# Altium PCB bingdundun钥匙扣_2.7x3cm.pcbdoc
Units mm, origin at the board's own origin, x right, y up, seen from the top; angles counter-clockwise.
Board outline 26.84 x 30.74 mm, 2 copper layers (Top Layer, Bottom Layer); 8 components, 9 nets, 0 pads, 0 vias.
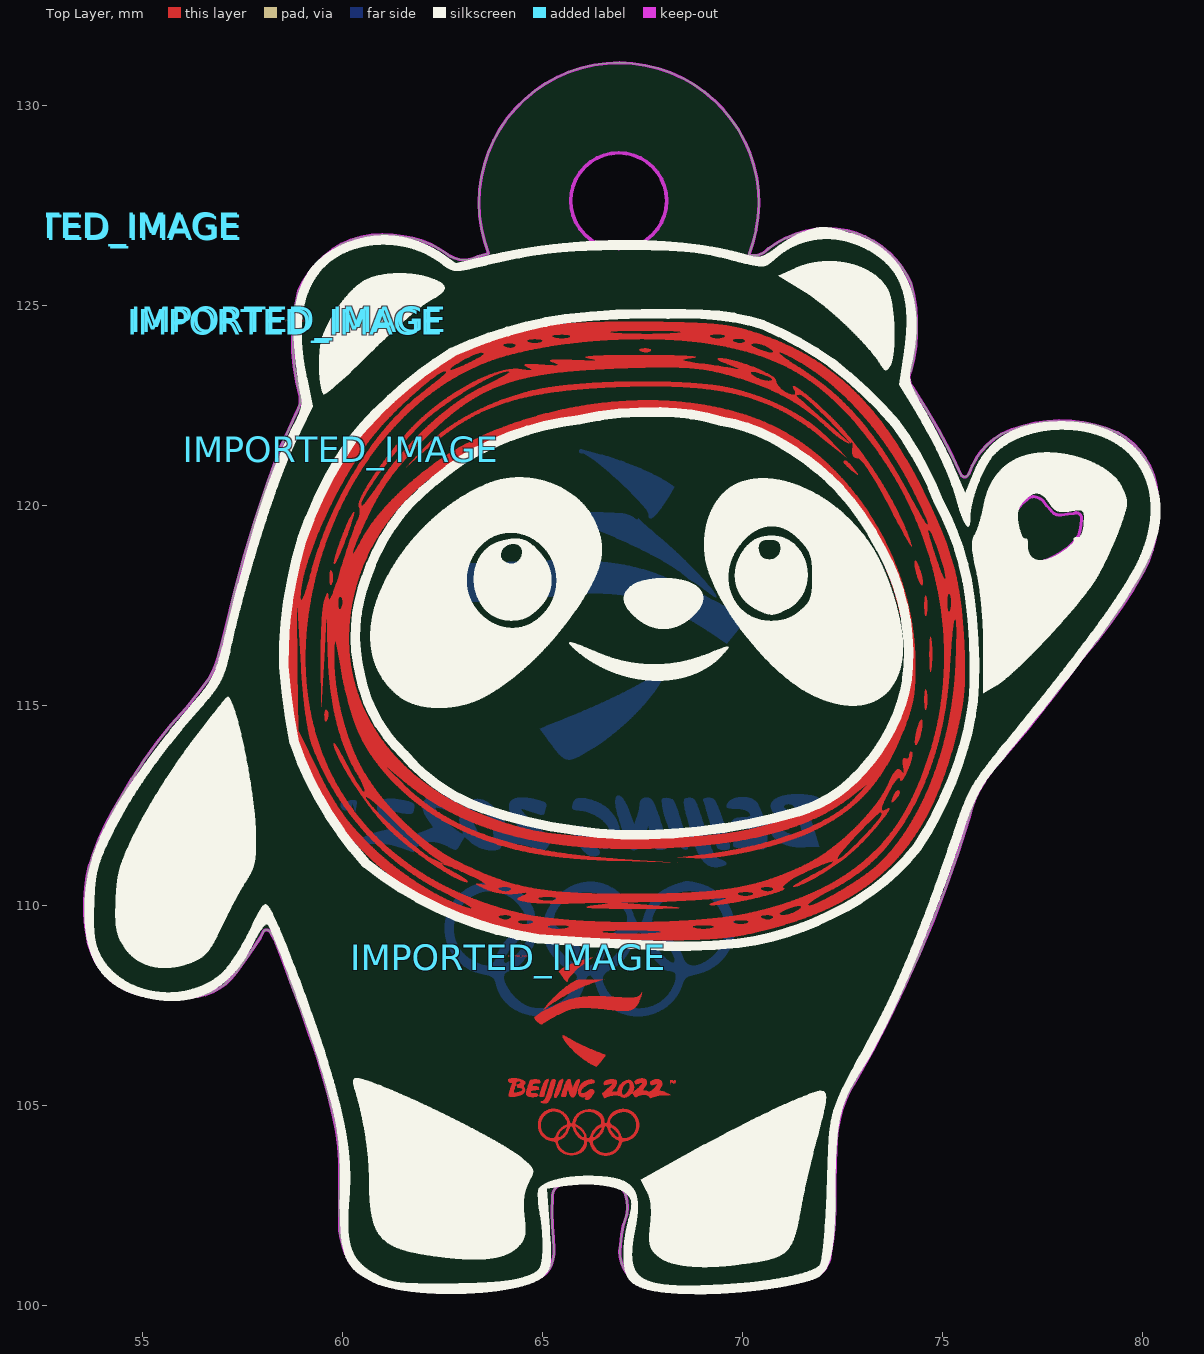
[diagram p0: Top Layer view]
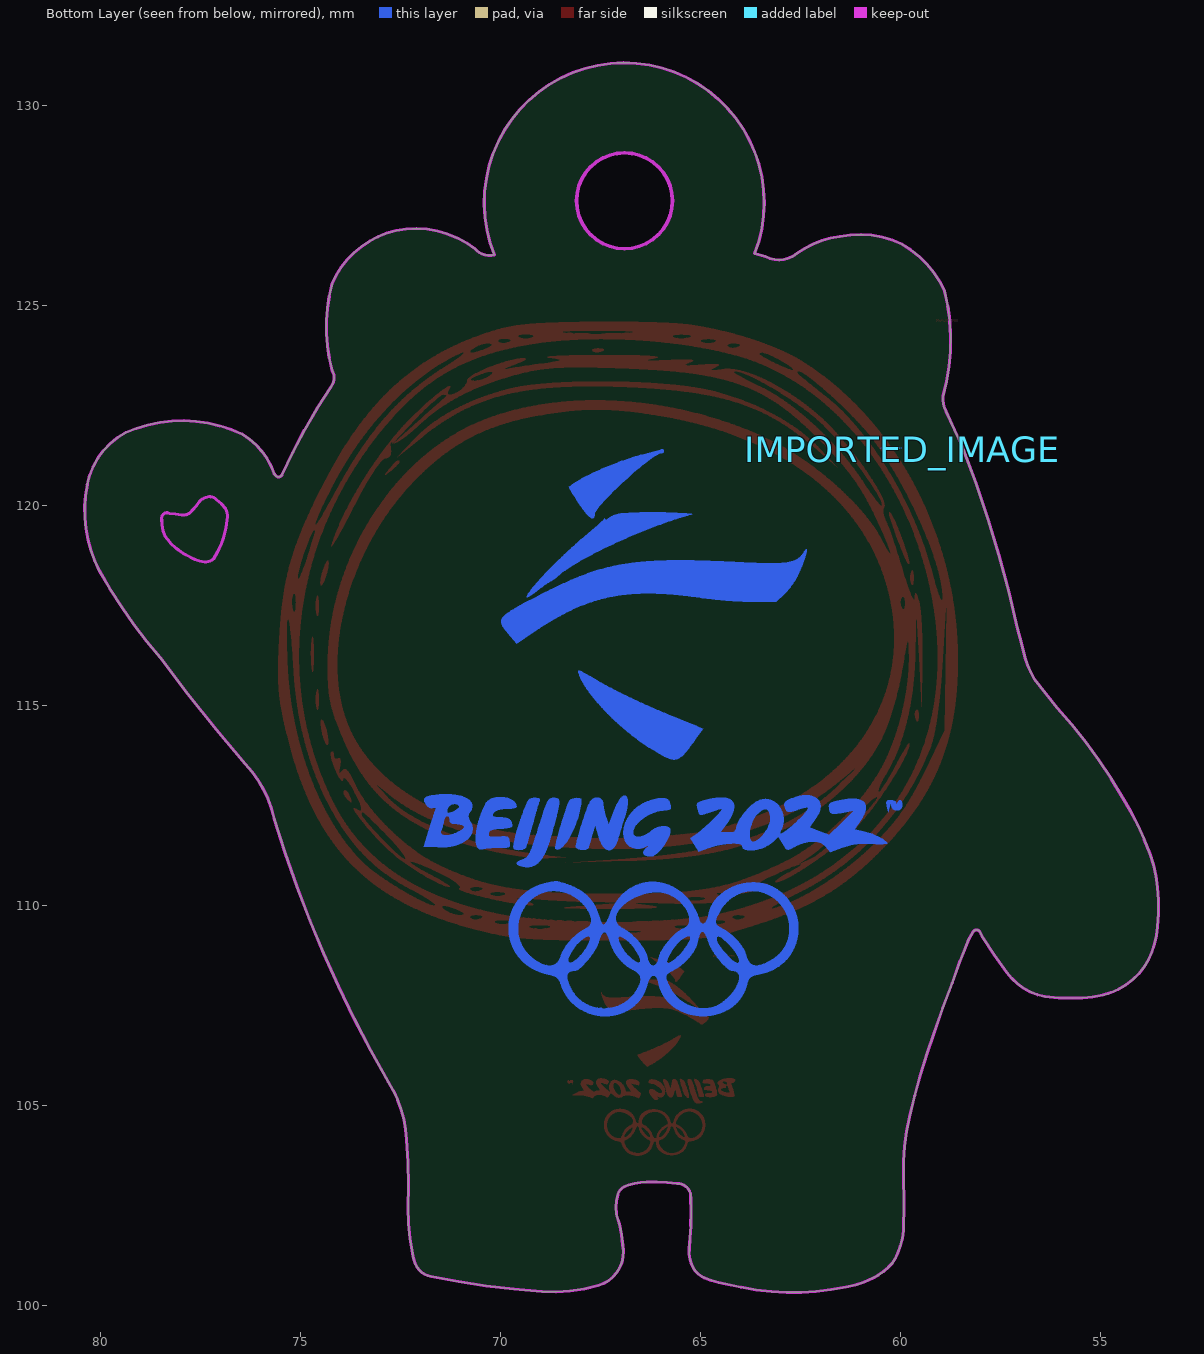
[diagram p1: Bottom Layer view, seen from below]

## Layer stack, top to bottom
Top Solder: solder mask 0.0102, Solder Resist, Dk 3.5
Top Layer: signal copper 0.0356
Dielectric1: dielectric 0.32, FR-4, Dk 4.8
Bottom Layer: signal copper 0.0356
Bottom Solder: solder mask 0.0102, Solder Resist, Dk 3.5

## Board outline
55.697,107.695 ccw(c55.779,112.404) 56.381,107.733 ccw(c56.097,109.223) 57.331,108.341 ccw(c47.308,115.962) 57.939,109.215 cw(c61.416,107.571) 58.015,109.367 cw(c58.091,109.3) 58.167,109.367 cw(c56.081,107.986) 58.281,109.177 cw(c43.353,102.884) 58.699,108.075 cw(c38.431,99.994) 59.155,106.82 cw(c42.902,100.959) 59.763,104.73 cw(c54.293,103.42) 59.915,103.248 ccw(c90.663,102.564) 59.915,101.88 ccw(c61.961,102.12) 60.067,101.31 ccw(c60.837,101.576) 60.296,100.968 ccw(c61.255,101.934) 60.676,100.702 ccw(c61.659,102.511) 61.36,100.474 ccw(c62.685,106.861) 63.222,100.36 ccw(c62.465,108.413) 64.362,100.55 ccw(c63.979,102.897) 64.894,100.702 ccw(c64.67,101.232) 65.16,100.93 ccw(c64.447,101.355) 65.274,101.424 ccw(c55.545,101.062) 65.236,101.994 cw(c75.034,102.355) 65.236,102.716 cw(c65.56,102.734) 65.578,103.058 cw(c66.149,99.249) 66.338,103.096 cw(c66.328,101.628) 66.794,103.02 cw(c66.727,102.673) 67.06,102.792 cw(c65.901,102.454) 67.098,102.298 ccw(c69.643,101.363) 66.936,101.517 ccw(c67.786,101.347) 67.554,100.512 ccw(c68.705,104.574) 68.96,100.36 ccw(c67.609,120.541) 71.735,100.74 ccw(c71.659,101.223) 72.077,100.968 ccw(c71.455,101.365) 72.191,101.31 ccw(c66.93,102.412) 72.305,102.45 cw(c86.441,102.991) 72.343,104.16 cw(c75.272,104.029) 72.799,105.604 ccw(c45.811,121.206) 75.651,112.187 75.649,112.179 cw(c78.493,111.553) 76.371,113.547 ccw(c42.803,142.583) 78.499,116.207 ccw(c68.597,124.773) 80.019,118.374 ccw(c77.073,119.891) 80.323,120.54 ccw(c78.459,120.164) 79.373,121.832 ccw(c77.951,118.631) 76.447,121.794 ccw(c77.411,120.199) 75.649,120.806 cw(c75.47,120.909) 75.573,120.73 cw(c75.546,120.839) 75.459,120.768 ccw(c61.609,114.542) 74.227,122.989 cw(c74.508,123.206) 74.205,123.39 ccw(c70.124,124.473) 74.205,125.556 ccw(c72.088,124.639) 72.609,126.886 ccw(c72.118,124.503) 70.632,126.43 cw(c70.261,126.759) 70.147,126.276 70.147,126.275 ccw(c66.899,127.58) 63.638,126.311 ccw(c66.355,115.579) 63.374,126.24 cw(c63.032,126.878) 62.576,126.316 ccw(c61.236,124.469) 61.512,126.734 ccw(c61.01,124.366) 59.953,126.544 ccw(c61.245,124.299) 58.889,125.376 ccw(c63.911,124.133) 58.927,122.744 cw(c58.323,122.667) 58.851,122.364 cw(c9.715,144.414) 58.438,121.465 ccw(c88.057,110.022) 57.065,116.929 cw(c30.24,123.603) 56.875,116.207 cw(c54.696,116.826) 56.647,115.675 cw(c33.485,133.375) 56.077,114.953 ccw(c64.991,106.74) 54.443,112.711 ccw(c60.463,108.913) 53.759,111.305 ccw(c56.506,110.241) 53.569,110.469 ccw(c58.065,109.975) 53.569,109.481 ccw(c55.87,109.659) 53.797,108.645 ccw(c55.359,109.501) 54.937,107.771 ccw(c55.641,110.974)
cut-out: 66.893,126.431 cw(c66.893,127.63) 65.694,127.63 cw(c66.893,127.63) 66.893,128.829 cw(c66.893,127.63) 68.092,127.63 cw(c66.893,127.63)

## Design rules (kind name [scope] priority, off if disabled: settings)
Clearance [All] p1: gap=0.254 ignorepadtopadclearanceinfootprint=FALSE except(0: Arc-Hole Track-Hole SMDPad-Hole THPad-Hole Via-Hole Fill-Hole Poly-Hole Region-Hole Text-Hole)
PolygonConnect [All] p1: connectstyle=Relief reliefconductorwidth=0.254 reliefentries=4 polygonreliefangle="90 Angle" airgapwidth=0.254
RoutingVias [All] p1: holewidth=0.711 width=1.27 viastyle="Through Hole" minholewidth=0.711 minwidth=1.27 maxholewidth=0.711 maxwidth=1.27
SolderMaskExpansion [All] p1: expansion=0.102 istentingtop=FALSE
Width [All] p1: maxlimit=0.254 minlimit=0.254 preferedwidth=0.254
30 further rules are at their usual default settings.

## Components (designator, comment, footprint, x,y, rotation, side; value= is the part's Value field where it differs from the comment)
IMPORTED_IMAGE "Comment" IMPORTED_IMAGE#1 59.944,121.412 r0 top
IMPORTED_IMAGE "Comment" IMPORTED_IMAGE#2 59.944,121.412 r0 bottom
IMPORTED_IMAGE "Comment" IMPORTED_IMAGE#1 53.498,127.02 r0 top
IMPORTED_IMAGE "Comment" IMPORTED_IMAGE#1 64.135,108.712 r0 top
IMPORTED_IMAGE "Comment" IMPORTED_IMAGE#1 58.639,124.673 r0 top
IMPORTED_IMAGE "Comment" IMPORTED_IMAGE#3 64.135,108.712 r0 top
IMPORTED_IMAGE "Comment" IMPORTED_IMAGE#4 58.56,124.608 r0 top
IMPORTED_IMAGE "Comment" IMPORTED_IMAGE#1 53.54,126.968 r0 top

## Footprints (in the part's own frame and the unit in brackets; to place one, negate y for a bottom-side part, rotate by r counter-clockwise, add the part's x,y. Pads: shape width x height; smd on the part's side, far side on the other; paste and mask are expansions set on the pad)
IMPORTED_IMAGE#1 [mm]
IMPORTED_IMAGE#2 [mm]
  Top Layer region: 1370 vertices and 9 holes, not listed, extent 2.599,10.796 9.849,14.169
  Top Layer region: 205 vertices and 0 holes, not listed, extent 8.581,8.711 9.641,10.442
  Top Layer region: 354 vertices and 0 holes, not listed, extent 5.79,8.713 6.977,10.174
  Top Layer region: 969 vertices and 1 holes, not listed, extent 0.381,8.642 5.302,10.071
  Top Layer region: 255 vertices and 0 holes, not listed, extent 6.867,8.652 8.163,10.016
  Top Layer region: 9.597,10.013 9.572,10.012 9.547,10.01 9.522,10.006 9.498,10.001 9.476,9.994 9.456,9.986 9.438,9.977 9.424,9.967 9.413,9.956 9.407,9.944 9.4,9.921 9.388,9.879 9.372,9.823 9.352,9.753 9.329,9.672 9.304,9.583 9.278,9.488 9.243,9.364 9.222,9.289 9.201,9.216 9.181,9.145 9.161,9.078 9.143,9.016 9.126,8.96 9.111,8.91 9.098,8.868 9.087,8.835 9.079,8.812 9.072,8.793 9.069,8.78 9.066,8.769 9.065,8.759 9.066,8.75 9.068,8.742 9.072,8.736 9.078,8.73 9.086,8.725 9.095,8.721 9.107,8.718 9.12,8.715 9.136,8.714 9.154,8.712 9.174,8.712 9.196,8.711 9.21,8.711 9.222,8.712 9.234,8.712 9.245,8.713 9.256,8.715 9.266,8.717 9.276,8.719 9.286,8.722 9.295,8.725 9.303,8.729 9.312,8.734 9.32,8.74 9.328,8.746 9.336,8.754 9.343,8.762 9.351,8.772 9.359,8.782 9.366,8.794 9.374,8.806 9.382,8.82 9.389,8.836 9.398,8.852 9.406,8.87 9.414,8.89 9.423,8.911 9.433,8.933 9.442,8.957 9.452,8.983 9.463,9.011 9.474,9.04 9.486,9.071 9.498,9.104 9.506,9.125 9.513,9.146 9.521,9.166 9.528,9.187 9.535,9.207 9.542,9.228 9.549,9.248 9.556,9.268 9.563,9.288 9.57,9.308 9.576,9.327 9.583,9.347 9.595,9.385 9.607,9.423 9.619,9.46 9.63,9.496 9.64,9.532 9.65,9.566 9.66,9.6 9.668,9.632 9.677,9.663 9.684,9.694 9.691,9.723 9.698,9.751 9.703,9.777 9.708,9.802 9.713,9.826 9.717,9.849 9.72,9.87 9.722,9.889 9.724,9.907 9.724,9.915 9.725,9.923 9.725,9.93 9.725,9.937 9.725,9.944 9.724,9.95 9.724,9.956 9.723,9.961 9.722,9.966 9.721,9.97 9.719,9.974 9.718,9.977 9.716,9.98 9.714,9.982 9.701,9.992 9.685,10 9.666,10.006 9.645,10.01 9.622,10.012 9.597,10.013
  Top Layer region: 8.639,9.998 8.619,10.001 8.597,9.998 8.575,9.991 8.551,9.978 8.527,9.961 8.502,9.94 8.476,9.915 8.45,9.886 8.424,9.853 8.397,9.817 8.371,9.777 8.344,9.735 8.318,9.69 8.292,9.643 8.266,9.594 8.241,9.542 8.217,9.489 8.194,9.435 8.171,9.379 8.15,9.322 8.13,9.265 8.111,9.207 8.094,9.148 8.078,9.09 8.064,9.032 8.052,8.974 8.041,8.917 8.033,8.861 8.027,8.806 8.024,8.752 8.034,8.733 8.063,8.72 8.106,8.713 8.156,8.712 8.208,8.717 8.256,8.727 8.295,8.743 8.318,8.763 8.328,8.78 8.338,8.801 8.35,8.827 8.363,8.857 8.376,8.891 8.39,8.928 8.404,8.969 8.42,9.012 8.435,9.057 8.451,9.104 8.467,9.153 8.483,9.204 8.499,9.255 8.515,9.307 8.531,9.36 8.547,9.412 8.562,9.464 8.577,9.516 8.591,9.566 8.604,9.615 8.617,9.663 8.629,9.708 8.64,9.751 8.649,9.792 8.658,9.829 8.665,9.863 8.671,9.893 8.675,9.919 8.678,9.941 8.679,9.958 8.678,9.969 8.676,9.976 8.658,9.99 8.639,9.998
  Top Layer region: 357 vertices and 0 holes, not listed, extent 9.648,8.688 10.669,9.999
  Top Layer region: 289 vertices and 2 holes, not listed, extent 10.745,8.618 11.964,9.948
  Top Layer region: 0.359,9.064 0.321,8.928 0.315,8.908 0.31,8.89 0.305,8.875 0.301,8.863 0.297,8.853 0.293,8.846 0.291,8.841 0.288,8.838 0.286,8.838 0.284,8.84 0.282,8.845 0.281,8.852 0.279,8.861 0.278,8.873 0.277,8.887 0.276,8.904 0.275,8.919 0.272,8.933 0.268,8.947 0.262,8.959 0.256,8.97 0.248,8.98 0.239,8.989 0.23,8.997 0.22,9.004 0.209,9.01 0.197,9.015 0.185,9.019 0.173,9.022 0.161,9.024 0.148,9.025 0.135,9.025 0.122,9.023 0.11,9.021 0.097,9.018 0.085,9.014 0.074,9.009 0.062,9.003 0.052,8.996 0.042,8.988 0.033,8.979 0.025,8.969 0.018,8.958 0.012,8.947 0.007,8.934 0.003,8.92 0.001,8.906 0,8.89 0.001,8.866 0.004,8.845 0.008,8.826 0.013,8.809 0.02,8.795 0.028,8.784 0.037,8.775 0.046,8.77 0.056,8.767 0.067,8.767 0.077,8.77 0.088,8.776 0.098,8.785 0.108,8.798 0.118,8.814 0.127,8.833 0.134,8.851 0.14,8.864 0.145,8.871 0.149,8.874 0.153,8.871 0.155,8.864 0.157,8.851 0.158,8.833 0.162,8.82 0.17,8.807 0.183,8.796 0.199,8.785 0.218,8.777 0.241,8.771 0.265,8.767 0.291,8.766 0.31,8.766 0.328,8.767 0.343,8.768 0.356,8.771 0.368,8.774 0.377,8.779 0.385,8.785 0.391,8.792 0.395,8.8 0.398,8.811 0.4,8.823 0.4,8.837 0.399,8.853 0.397,8.871 0.393,8.892 0.389,8.915 0.359,9.064
  Top Layer region: 271 vertices and 0 holes, not listed, extent 4.98,5.528 8.107,7.752
  Top Layer region: 475 vertices and 0 holes, not listed, extent 2.393,2.497 10.033,4.853
  Top Layer region: 271 vertices and 0 holes, not listed, extent 5.258,1.57 9.391,3.691
  Top Layer region: 186 vertices and 0 holes, not listed, extent 5.962,-0.003 8.338,1.72
IMPORTED_IMAGE#3 [mm]
  Top Layer region: 490 vertices and 9 holes, not listed, extent 0.741,-4.953 3.27,-3.782
  Top Layer region: 0.928,-3.649 0.908,-3.65 0.886,-3.648 0.863,-3.644 0.841,-3.638 0.824,-3.63 0.812,-3.622 0.806,-3.614 0.805,-3.607 0.811,-3.601 0.823,-3.597 0.841,-3.596 0.847,-3.596 0.852,-3.595 0.856,-3.594 0.861,-3.593 0.866,-3.591 0.871,-3.588 0.875,-3.585 0.88,-3.582 0.884,-3.578 0.889,-3.574 0.893,-3.568 0.898,-3.563 0.902,-3.556 0.907,-3.549 0.911,-3.541 0.916,-3.533 0.92,-3.523 0.925,-3.513 0.93,-3.502 0.935,-3.491 0.94,-3.478 0.945,-3.465 0.951,-3.45 0.956,-3.435 0.962,-3.419 0.968,-3.402 0.974,-3.384 0.98,-3.364 0.986,-3.344 0.993,-3.323 1,-3.301 1.03,-3.203 1.048,-3.147 1.062,-3.106 1.075,-3.078 1.086,-3.061 1.099,-3.051 1.113,-3.047 1.13,-3.047 1.142,-3.047 1.152,-3.047 1.157,-3.048 1.161,-3.049 1.164,-3.05 1.168,-3.051 1.171,-3.053 1.173,-3.055 1.175,-3.058 1.177,-3.061 1.178,-3.065 1.179,-3.069 1.18,-3.074 1.18,-3.08 1.179,-3.086 1.179,-3.093 1.178,-3.101 1.176,-3.11 1.174,-3.12 1.172,-3.131 1.169,-3.143 1.166,-3.155 1.163,-3.169 1.159,-3.184 1.154,-3.201 1.144,-3.237 1.133,-3.278 1.126,-3.301 1.11,-3.356 1.095,-3.406 1.081,-3.45 1.067,-3.489 1.053,-3.523 1.039,-3.553 1.025,-3.578 1.01,-3.599 0.995,-3.616 0.98,-3.629 0.964,-3.639 0.946,-3.646 0.928,-3.649
  Top Layer region: 1.996,-3.552 1.979,-3.558 1.958,-3.556 1.94,-3.552 1.927,-3.545 1.919,-3.536 1.915,-3.526 1.917,-3.514 1.924,-3.502 1.936,-3.488 1.957,-3.467 1.954,-3.465 1.941,-3.472 1.929,-3.478 1.917,-3.483 1.905,-3.486 1.894,-3.489 1.883,-3.491 1.872,-3.492 1.861,-3.493 1.851,-3.492 1.841,-3.491 1.831,-3.489 1.822,-3.486 1.813,-3.482 1.805,-3.477 1.797,-3.472 1.789,-3.466 1.783,-3.46 1.776,-3.452 1.77,-3.444 1.765,-3.436 1.76,-3.427 1.756,-3.417 1.753,-3.406 1.75,-3.395 1.747,-3.384 1.746,-3.372 1.745,-3.359 1.745,-3.346 1.746,-3.332 1.747,-3.318 1.749,-3.304 1.752,-3.289 1.757,-3.271 1.763,-3.254 1.77,-3.237 1.778,-3.221 1.788,-3.205 1.799,-3.189 1.81,-3.175 1.823,-3.16 1.837,-3.147 1.851,-3.134 1.867,-3.122 1.883,-3.11 1.9,-3.1 1.917,-3.091 1.936,-3.082 1.954,-3.075 1.995,-3.062 2.03,-3.053 2.061,-3.048 2.088,-3.048 2.11,-3.052 2.128,-3.06 2.141,-3.073 2.151,-3.089 2.153,-3.096 2.155,-3.102 2.156,-3.108 2.157,-3.113 2.156,-3.118 2.155,-3.122 2.153,-3.125 2.15,-3.129 2.145,-3.132 2.139,-3.135 2.132,-3.138 2.124,-3.141 2.114,-3.144 2.102,-3.147 2.089,-3.15 2.074,-3.154 2.045,-3.162 2.016,-3.172 1.988,-3.185 1.961,-3.199 1.936,-3.215 1.911,-3.232 1.889,-3.25 1.869,-3.268 1.851,-3.287 1.837,-3.305 1.825,-3.322 1.818,-3.339 1.814,-3.354 1.815,-3.368 1.821,-3.379 1.831,-3.389 1.845,-3.393 1.864,-3.394 1.885,-3.39 1.908,-3.383 1.931,-3.373 1.954,-3.36 1.975,-3.346 1.992,-3.33 2.004,-3.317 2.018,-3.308 2.031,-3.3 2.045,-3.295 2.059,-3.292 2.073,-3.291 2.086,-3.292 2.099,-3.295 2.11,-3.299 2.121,-3.306 2.129,-3.314 2.136,-3.323 2.141,-3.335 2.144,-3.347 2.144,-3.361 2.142,-3.376 2.132,-3.401 2.115,-3.43 2.094,-3.46 2.069,-3.49 2.043,-3.516 2.018,-3.538 1.996,-3.552
  Top Layer region: 412 vertices and 1 holes, not listed, extent 2.348,-3.522 4.051,-3.023
  Top Layer region: 1.183,-3.507 1.172,-3.511 1.163,-3.51 1.156,-3.504 1.15,-3.494 1.147,-3.479 1.146,-3.459 1.147,-3.451 1.149,-3.439 1.152,-3.425 1.156,-3.408 1.162,-3.388 1.168,-3.366 1.175,-3.343 1.182,-3.319 1.19,-3.293 1.199,-3.268 1.207,-3.242 1.216,-3.217 1.225,-3.192 1.233,-3.169 1.242,-3.147 1.25,-3.127 1.266,-3.097 1.286,-3.073 1.309,-3.054 1.331,-3.042 1.35,-3.037 1.365,-3.041 1.371,-3.055 1.368,-3.08 1.346,-3.157 1.305,-3.298 1.295,-3.329 1.284,-3.359 1.272,-3.387 1.259,-3.413 1.246,-3.436 1.233,-3.457 1.22,-3.475 1.207,-3.489 1.194,-3.5 1.183,-3.507
  Top Layer region: 1.606,-3.497 1.599,-3.496 1.593,-3.495 1.587,-3.492 1.58,-3.489 1.574,-3.485 1.568,-3.479 1.563,-3.473 1.557,-3.466 1.551,-3.458 1.546,-3.449 1.541,-3.439 1.536,-3.428 1.532,-3.415 1.528,-3.402 1.524,-3.389 1.519,-3.369 1.514,-3.352 1.509,-3.338 1.504,-3.327 1.5,-3.318 1.495,-3.312 1.491,-3.309 1.487,-3.308 1.483,-3.31 1.479,-3.314 1.475,-3.321 1.472,-3.331 1.468,-3.344 1.465,-3.359 1.461,-3.377 1.458,-3.397 1.454,-3.425 1.449,-3.445 1.444,-3.46 1.438,-3.47 1.429,-3.477 1.417,-3.48 1.401,-3.482 1.38,-3.482 1.347,-3.481 1.329,-3.476 1.322,-3.466 1.324,-3.449 1.375,-3.283 1.384,-3.256 1.393,-3.228 1.402,-3.2 1.412,-3.174 1.421,-3.151 1.429,-3.129 1.436,-3.112 1.443,-3.099 1.457,-3.076 1.474,-3.059 1.494,-3.05 1.517,-3.047 1.53,-3.047 1.54,-3.049 1.548,-3.052 1.555,-3.057 1.559,-3.064 1.562,-3.073 1.564,-3.084 1.565,-3.099 1.574,-3.156 1.591,-3.224 1.609,-3.275 1.618,-3.279 1.625,-3.242 1.636,-3.203 1.651,-3.164 1.669,-3.128 1.688,-3.095 1.708,-3.07 1.728,-3.053 1.745,-3.047 1.755,-3.047 1.763,-3.047 1.77,-3.048 1.776,-3.05 1.781,-3.052 1.784,-3.055 1.787,-3.059 1.789,-3.065 1.789,-3.071 1.788,-3.079 1.787,-3.089 1.784,-3.1 1.781,-3.113 1.776,-3.128 1.771,-3.145 1.762,-3.173 1.755,-3.194 1.748,-3.217 1.74,-3.243 1.732,-3.27 1.724,-3.298 1.716,-3.325 1.709,-3.351 1.705,-3.364 1.701,-3.379 1.696,-3.393 1.691,-3.407 1.686,-3.419 1.68,-3.43 1.675,-3.441 1.669,-3.451 1.663,-3.459 1.657,-3.467 1.651,-3.474 1.644,-3.48 1.638,-3.485 1.632,-3.489 1.625,-3.493 1.619,-3.495 1.612,-3.496 1.606,-3.497
  Top Layer region: 0.611,-3.489 0.584,-3.488 0.557,-3.486 0.532,-3.482 0.508,-3.476 0.487,-3.469 0.47,-3.46 0.456,-3.449 0.448,-3.437 0.445,-3.427 0.444,-3.413 0.445,-3.395 0.448,-3.374 0.452,-3.35 0.457,-3.324 0.464,-3.297 0.471,-3.268 0.479,-3.239 0.488,-3.21 0.497,-3.181 0.507,-3.154 0.517,-3.128 0.527,-3.105 0.537,-3.084 0.547,-3.066 0.562,-3.058 0.591,-3.052 0.629,-3.049 0.672,-3.047 0.714,-3.048 0.75,-3.051 0.775,-3.056 0.785,-3.064 0.786,-3.073 0.788,-3.085 0.792,-3.098 0.796,-3.111 0.799,-3.12 0.799,-3.126 0.796,-3.132 0.79,-3.136 0.78,-3.138 0.766,-3.14 0.747,-3.141 0.724,-3.141 0.696,-3.142 0.671,-3.146 0.649,-3.151 0.631,-3.158 0.615,-3.167 0.604,-3.177 0.597,-3.189 0.595,-3.202 0.597,-3.205 0.601,-3.208 0.608,-3.21 0.617,-3.213 0.628,-3.215 0.64,-3.216 0.654,-3.217 0.669,-3.217 0.693,-3.218 0.713,-3.221 0.73,-3.227 0.743,-3.235 0.754,-3.245 0.761,-3.258 0.765,-3.274 0.766,-3.293 0.764,-3.297 0.758,-3.3 0.749,-3.304 0.737,-3.307 0.722,-3.31 0.705,-3.312 0.686,-3.314 0.666,-3.316 0.642,-3.318 0.62,-3.321 0.602,-3.326 0.586,-3.331 0.574,-3.337 0.565,-3.344 0.559,-3.351 0.556,-3.358 0.556,-3.365 0.56,-3.371 0.567,-3.378 0.577,-3.383 0.591,-3.388 0.608,-3.392 0.628,-3.394 0.697,-3.398 0.723,-3.404 0.737,-3.417 0.743,-3.44 0.742,-3.451 0.735,-3.462 0.722,-3.47 0.706,-3.477 0.685,-3.483 0.662,-3.486 0.637,-3.489 0.611,-3.489
  Top Layer region: 83 vertices and 2 holes, not listed, extent -0.006,-3.485 0.426,-3.018
  Top Layer region: 0.834,-3.482 0.8,-3.481 0.782,-3.475 0.776,-3.462 0.779,-3.44 0.783,-3.425 0.787,-3.408 0.792,-3.39 0.797,-3.371 0.803,-3.35 0.81,-3.33 0.816,-3.308 0.824,-3.286 0.831,-3.264 0.838,-3.243 0.846,-3.221 0.853,-3.2 0.861,-3.18 0.868,-3.161 0.875,-3.143 0.882,-3.127 0.915,-3.08 0.959,-3.045 0.998,-3.032 1.012,-3.051 1.008,-3.067 0.996,-3.107 0.978,-3.165 0.955,-3.235 0.944,-3.272 0.934,-3.307 0.924,-3.341 0.916,-3.372 0.909,-3.398 0.903,-3.421 0.9,-3.438 0.899,-3.448 0.898,-3.457 0.896,-3.465 0.891,-3.47 0.885,-3.475 0.876,-3.478 0.865,-3.481 0.851,-3.482 0.834,-3.482
  Top Layer region: 4.072,-3.122 4.058,-3.17 4.048,-3.118 4.044,-3.091 4.047,-3.075 4.059,-3.067 4.082,-3.066 4.115,-3.073 4.129,-3.089 4.132,-3.104 4.14,-3.089 4.153,-3.07 4.168,-3.067 4.179,-3.077 4.184,-3.101 4.182,-3.116 4.176,-3.13 4.167,-3.141 4.156,-3.148 4.136,-3.15 4.127,-3.14 4.122,-3.129 4.108,-3.132 4.094,-3.13 4.087,-3.109 4.086,-3.097 4.083,-3.095 4.078,-3.103 4.072,-3.122
  Top Layer region: 2.256,-2.669 2.192,-2.731 2.095,-2.681 2.065,-2.665 2.034,-2.647 2.003,-2.628 1.972,-2.608 1.94,-2.587 1.908,-2.565 1.876,-2.542 1.845,-2.519 1.813,-2.494 1.782,-2.469 1.751,-2.444 1.72,-2.418 1.69,-2.391 1.661,-2.365 1.633,-2.338 1.605,-2.312 1.578,-2.285 1.553,-2.258 1.528,-2.232 1.505,-2.206 1.483,-2.181 1.462,-2.156 1.443,-2.132 1.425,-2.108 1.41,-2.085 1.396,-2.063 1.383,-2.042 1.373,-2.022 1.365,-2.004 1.359,-1.986 1.356,-1.97 1.355,-1.955 1.356,-1.952 1.36,-1.949 1.366,-1.949 1.374,-1.95 1.385,-1.953 1.397,-1.957 1.41,-1.962 1.424,-1.968 1.44,-1.975 1.456,-1.984 1.473,-1.993 1.49,-2.003 1.507,-2.013 1.524,-2.024 1.541,-2.036 1.557,-2.047 1.563,-2.052 1.571,-2.056 1.58,-2.062 1.591,-2.068 1.604,-2.075 1.618,-2.082 1.633,-2.09 1.65,-2.099 1.668,-2.108 1.687,-2.117 1.706,-2.127 1.727,-2.137 1.749,-2.147 1.771,-2.158 1.794,-2.169 1.818,-2.18 1.842,-2.191 1.866,-2.202 1.89,-2.213 1.915,-2.224 1.94,-2.235 1.964,-2.246 1.989,-2.257 2.013,-2.268 2.038,-2.278 2.061,-2.288 2.084,-2.298 2.107,-2.307 2.129,-2.317 2.15,-2.325 2.171,-2.333 2.19,-2.341 2.276,-2.375 2.349,-2.404 2.4,-2.425 2.423,-2.435 2.425,-2.438 2.425,-2.444 2.422,-2.453 2.417,-2.464 2.409,-2.477 2.4,-2.492 2.39,-2.508 2.378,-2.525 2.365,-2.543 2.351,-2.562 2.336,-2.581 2.32,-2.6 2.304,-2.618 2.288,-2.636 2.272,-2.653 2.256,-2.669
  Top Layer region: 260 vertices and 0 holes, not listed, extent 0.652,-1.672 3.341,-0.863
  Top Layer region: 0.885,-1.3 0.883,-1.3 0.884,-1.297 0.887,-1.292 0.891,-1.285 0.914,-1.253 0.933,-1.228 0.952,-1.202 0.974,-1.176 0.996,-1.149 1.02,-1.122 1.045,-1.094 1.071,-1.066 1.098,-1.038 1.126,-1.01 1.154,-0.982 1.183,-0.954 1.212,-0.926 1.242,-0.899 1.272,-0.872 1.302,-0.845 1.332,-0.819 1.362,-0.794 1.392,-0.77 1.421,-0.746 1.45,-0.724 1.478,-0.702 1.506,-0.682 1.533,-0.663 1.559,-0.645 1.585,-0.629 1.609,-0.615 1.632,-0.602 1.653,-0.59 1.673,-0.581 1.692,-0.573 1.709,-0.568 1.724,-0.564 1.733,-0.563 1.746,-0.562 1.761,-0.561 1.778,-0.559 1.808,-0.558 1.842,-0.556 1.881,-0.555 1.922,-0.553 1.966,-0.552 1.996,-0.552 2.027,-0.551 2.058,-0.551 2.089,-0.551 2.105,-0.55 2.409,-0.549 2.266,-0.587 2.249,-0.592 2.231,-0.597 2.213,-0.602 2.196,-0.607 2.178,-0.613 2.16,-0.618 2.141,-0.624 2.123,-0.63 2.105,-0.636 2.086,-0.643 2.067,-0.649 2.049,-0.656 2.03,-0.663 2.011,-0.67 1.992,-0.677 1.973,-0.684 1.954,-0.692 1.935,-0.699 1.915,-0.707 1.896,-0.715 1.877,-0.723 1.857,-0.731 1.838,-0.739 1.819,-0.748 1.799,-0.757 1.78,-0.765 1.76,-0.774 1.74,-0.783 1.721,-0.792 1.701,-0.802 1.682,-0.811 1.662,-0.82 1.643,-0.83 1.623,-0.84 1.604,-0.85 1.584,-0.86 1.565,-0.87 1.545,-0.88 1.526,-0.89 1.507,-0.9 1.487,-0.911 1.468,-0.921 1.449,-0.932 1.43,-0.943 1.411,-0.953 1.392,-0.964 1.373,-0.975 1.354,-0.986 1.336,-0.997 1.317,-1.009 1.298,-1.02 1.28,-1.031 1.262,-1.043 1.244,-1.054 1.226,-1.066 1.208,-1.077 1.19,-1.089 1.172,-1.101 1.155,-1.112 1.137,-1.124 1.12,-1.136 1.103,-1.148 1.086,-1.16 1.069,-1.172 0.997,-1.224 0.969,-1.244 0.945,-1.262 0.925,-1.275 0.91,-1.286 0.899,-1.293 0.89,-1.298 0.885,-1.3
  Top Layer region: 1.474,-0.602 1.471,-0.602 1.468,-0.602 1.464,-0.601 1.461,-0.6 1.457,-0.598 1.453,-0.595 1.448,-0.592 1.443,-0.588 1.438,-0.583 1.433,-0.578 1.428,-0.573 1.422,-0.566 1.416,-0.56 1.409,-0.552 1.403,-0.544 1.396,-0.536 1.389,-0.527 1.382,-0.517 1.374,-0.507 1.366,-0.496 1.358,-0.484 1.35,-0.472 1.259,-0.341 1.323,-0.293 1.335,-0.284 1.348,-0.275 1.362,-0.266 1.377,-0.256 1.393,-0.247 1.41,-0.238 1.427,-0.228 1.446,-0.219 1.465,-0.209 1.485,-0.2 1.505,-0.19 1.526,-0.181 1.548,-0.171 1.571,-0.162 1.594,-0.153 1.617,-0.143 1.642,-0.134 1.666,-0.125 1.691,-0.116 1.717,-0.107 1.743,-0.098 1.769,-0.089 1.796,-0.081 1.823,-0.072 1.85,-0.064 1.878,-0.056 1.906,-0.048 1.934,-0.04 1.962,-0.033 1.991,-0.025 2.019,-0.018 2.048,-0.011 2.077,-0.004 2.094,0 2.097,0 2.097,0 2.097,-0.002 2.095,-0.004 2.092,-0.007 2.087,-0.011 2.081,-0.016 2.074,-0.022 2.065,-0.028 2.055,-0.036 2.043,-0.045 2.03,-0.054 2.016,-0.065 1.999,-0.076 1.982,-0.089 1.962,-0.103 1.913,-0.138 1.863,-0.176 1.813,-0.213 1.767,-0.25 1.727,-0.283 1.694,-0.31 1.672,-0.331 1.662,-0.343 1.659,-0.348 1.653,-0.355 1.644,-0.366 1.633,-0.378 1.619,-0.393 1.605,-0.409 1.588,-0.426 1.571,-0.443 1.539,-0.48 1.512,-0.515 1.494,-0.545 1.488,-0.567 1.487,-0.573 1.487,-0.578 1.486,-0.584 1.485,-0.588 1.484,-0.592 1.483,-0.595 1.481,-0.598 1.479,-0.6 1.476,-0.601 1.474,-0.602
IMPORTED_IMAGE#4 [mm]
  Top Layer region: 1484 vertices and 23 holes, not listed, extent -0.001,-15.468 16.991,0
  Top Layer region: 5195 vertices and 11 holes, not listed, extent 0.886,-14.674 15.751,-0.835
  Top Layer region: 15.17,-12.013 15.167,-12.013 15.164,-12.012 15.162,-12.011 15.161,-12.009 15.159,-12.006 15.159,-12.002 15.159,-11.997 15.159,-11.991 15.16,-11.985 15.162,-11.978 15.164,-11.969 15.166,-11.96 15.169,-11.95 15.172,-11.94 15.176,-11.928 15.181,-11.916 15.185,-11.902 15.191,-11.888 15.196,-11.873 15.214,-11.832 15.233,-11.796 15.252,-11.767 15.272,-11.743 15.292,-11.728 15.31,-11.719 15.327,-11.719 15.342,-11.728 15.348,-11.736 15.352,-11.744 15.355,-11.754 15.356,-11.765 15.355,-11.777 15.354,-11.789 15.35,-11.803 15.345,-11.817 15.339,-11.831 15.332,-11.846 15.323,-11.862 15.313,-11.877 15.302,-11.892 15.29,-11.908 15.277,-11.923 15.262,-11.938 15.252,-11.949 15.242,-11.958 15.232,-11.967 15.223,-11.975 15.215,-11.983 15.208,-11.989 15.201,-11.995 15.194,-12 15.188,-12.004 15.183,-12.007 15.178,-12.01 15.174,-12.012 15.17,-12.013
  Top Layer region: 15.78,-10.574 15.766,-10.583 15.754,-10.579 15.752,-10.576 15.75,-10.572 15.748,-10.568 15.746,-10.563 15.744,-10.557 15.743,-10.55 15.742,-10.543 15.741,-10.535 15.74,-10.526 15.74,-10.517 15.74,-10.508 15.74,-10.498 15.74,-10.487 15.74,-10.476 15.741,-10.464 15.742,-10.452 15.743,-10.439 15.744,-10.426 15.746,-10.413 15.747,-10.399 15.749,-10.386 15.751,-10.371 15.754,-10.357 15.756,-10.342 15.759,-10.327 15.762,-10.311 15.765,-10.296 15.768,-10.28 15.771,-10.265 15.775,-10.249 15.779,-10.233 15.782,-10.217 15.799,-10.155 15.817,-10.099 15.835,-10.051 15.853,-10.011 15.87,-9.98 15.885,-9.96 15.899,-9.951 15.911,-9.955 15.913,-9.958 15.916,-9.962 15.918,-9.966 15.919,-9.971 15.921,-9.977 15.922,-9.984 15.923,-9.991 15.924,-9.999 15.925,-10.007 15.925,-10.016 15.926,-10.026 15.926,-10.036 15.925,-10.047 15.925,-10.058 15.924,-10.07 15.923,-10.082 15.922,-10.094 15.921,-10.107 15.92,-10.121 15.918,-10.134 15.916,-10.148 15.914,-10.163 15.912,-10.177 15.909,-10.192 15.907,-10.207 15.904,-10.222 15.901,-10.238 15.898,-10.253 15.894,-10.269 15.891,-10.285 15.887,-10.301 15.883,-10.317 15.866,-10.379 15.849,-10.434 15.831,-10.483 15.813,-10.523 15.796,-10.554 15.78,-10.574
  Top Layer region: 1.017,-9.99 1.012,-9.992 1.007,-9.992 1.002,-9.988 0.997,-9.982 0.993,-9.974 0.99,-9.962 0.987,-9.948 0.984,-9.932 0.981,-9.913 0.98,-9.891 0.978,-9.867 0.978,-9.823 0.98,-9.785 0.985,-9.753 0.993,-9.729 1.002,-9.712 1.013,-9.703 1.026,-9.703 1.04,-9.713 1.047,-9.721 1.053,-9.73 1.058,-9.741 1.062,-9.753 1.066,-9.765 1.069,-9.779 1.071,-9.793 1.072,-9.808 1.072,-9.824 1.071,-9.84 1.07,-9.856 1.067,-9.872 1.064,-9.889 1.06,-9.905 1.055,-9.921 1.049,-9.937 1.042,-9.954 1.036,-9.967 1.029,-9.977 1.023,-9.985 1.017,-9.99
  Top Layer region: 16.01,-9.699 16.007,-9.7 16.005,-9.7 16.003,-9.698 16.001,-9.696 15.998,-9.693 15.996,-9.688 15.994,-9.683 15.993,-9.676 15.991,-9.669 15.989,-9.66 15.988,-9.651 15.986,-9.641 15.985,-9.629 15.983,-9.617 15.982,-9.604 15.981,-9.59 15.98,-9.575 15.979,-9.559 15.979,-9.543 15.978,-9.525 15.977,-9.507 15.977,-9.488 15.977,-9.468 15.977,-9.447 15.977,-9.406 15.978,-9.369 15.979,-9.335 15.981,-9.304 15.983,-9.277 15.986,-9.253 15.989,-9.233 15.993,-9.218 15.996,-9.206 16.001,-9.198 16.005,-9.194 16.01,-9.195 16.015,-9.2 16.02,-9.209 16.025,-9.223 16.03,-9.242 16.036,-9.264 16.04,-9.287 16.044,-9.312 16.047,-9.338 16.049,-9.364 16.051,-9.391 16.052,-9.419 16.052,-9.447 16.052,-9.475 16.051,-9.502 16.049,-9.53 16.047,-9.556 16.044,-9.582 16.04,-9.607 16.036,-9.63 16.03,-9.652 16.028,-9.662 16.025,-9.671 16.022,-9.678 16.02,-9.685 16.017,-9.69 16.015,-9.694 16.012,-9.697 16.01,-9.699
  Top Layer region: 16.129,-8.751 16.127,-8.75 16.125,-8.747 16.123,-8.743 16.121,-8.736 16.119,-8.728 16.118,-8.718 16.116,-8.706 16.115,-8.693 16.113,-8.678 16.112,-8.661 16.111,-8.642 16.109,-8.622 16.108,-8.6 16.107,-8.577 16.106,-8.552 16.105,-8.525 16.105,-8.497 16.104,-8.467 16.104,-8.436 16.103,-8.404 16.103,-8.37 16.103,-8.334 16.103,-8.298 16.103,-8.264 16.103,-8.231 16.104,-8.199 16.104,-8.169 16.105,-8.14 16.106,-8.113 16.106,-8.086 16.107,-8.062 16.108,-8.038 16.109,-8.017 16.111,-7.997 16.112,-7.978 16.113,-7.961 16.115,-7.945 16.116,-7.932 16.118,-7.919 16.12,-7.909 16.122,-7.9 16.123,-7.893 16.125,-7.888 16.127,-7.884 16.129,-7.882 16.132,-7.882 16.134,-7.884 16.136,-7.888 16.138,-7.894 16.141,-7.901 16.143,-7.911 16.145,-7.922 16.148,-7.936 16.15,-7.951 16.153,-7.968 16.155,-7.986 16.157,-8.004 16.159,-8.023 16.161,-8.043 16.163,-8.063 16.164,-8.084 16.165,-8.106 16.167,-8.128 16.168,-8.15 16.169,-8.173 16.169,-8.195 16.17,-8.219 16.17,-8.242 16.171,-8.266 16.171,-8.29 16.171,-8.314 16.171,-8.338 16.17,-8.362 16.17,-8.386 16.169,-8.409 16.168,-8.433 16.167,-8.457 16.166,-8.48 16.165,-8.503 16.163,-8.526 16.162,-8.549 16.16,-8.571 16.158,-8.592 16.156,-8.613 16.154,-8.634 16.152,-8.654 16.149,-8.673 16.147,-8.689 16.144,-8.704 16.142,-8.717 16.14,-8.727 16.137,-8.736 16.135,-8.743 16.133,-8.747 16.131,-8.75 16.129,-8.751
  Top Layer region: 16.01,-7.356 16.007,-7.357 16.005,-7.357 16.003,-7.356 16.001,-7.353 15.998,-7.35 15.996,-7.345 15.994,-7.34 15.993,-7.333 15.991,-7.326 15.989,-7.317 15.988,-7.308 15.986,-7.298 15.985,-7.286 15.983,-7.274 15.982,-7.261 15.981,-7.247 15.98,-7.232 15.979,-7.216 15.979,-7.2 15.978,-7.182 15.977,-7.164 15.977,-7.145 15.977,-7.125 15.977,-7.104 15.977,-7.063 15.978,-7.026 15.979,-6.992 15.981,-6.961 15.983,-6.934 15.986,-6.91 15.989,-6.891 15.993,-6.875 15.996,-6.863 16.001,-6.855 16.005,-6.851 16.01,-6.852 16.015,-6.857 16.02,-6.866 16.025,-6.88 16.03,-6.899 16.036,-6.921 16.04,-6.944 16.044,-6.969 16.047,-6.995 16.049,-7.021 16.051,-7.049 16.052,-7.076 16.052,-7.104 16.052,-7.132 16.051,-7.159 16.049,-7.187 16.047,-7.213 16.044,-7.239 16.04,-7.264 16.036,-7.287 16.03,-7.309 16.028,-7.319 16.025,-7.328 16.022,-7.335 16.02,-7.342 16.017,-7.347 16.015,-7.351 16.012,-7.354 16.01,-7.356
  Top Layer region: 15.913,-6.588 15.91,-6.587 15.907,-6.586 15.903,-6.584 15.9,-6.581 15.896,-6.577 15.892,-6.572 15.888,-6.567 15.884,-6.561 15.88,-6.554 15.875,-6.547 15.87,-6.538 15.865,-6.529 15.86,-6.52 15.855,-6.509 15.85,-6.498 15.844,-6.486 15.839,-6.473 15.833,-6.46 15.822,-6.435 15.812,-6.409 15.803,-6.382 15.794,-6.355 15.785,-6.327 15.777,-6.299 15.769,-6.271 15.762,-6.243 15.755,-6.215 15.749,-6.188 15.744,-6.162 15.74,-6.136 15.737,-6.112 15.734,-6.09 15.733,-6.069 15.732,-6.05 15.732,-6.04 15.733,-6.03 15.733,-6.022 15.734,-6.014 15.735,-6.007 15.736,-6.001 15.737,-5.996 15.739,-5.991 15.741,-5.988 15.743,-5.984 15.745,-5.982 15.747,-5.981 15.75,-5.98 15.753,-5.98 15.755,-5.981 15.759,-5.982 15.762,-5.984 15.765,-5.987 15.769,-5.991 15.773,-5.996 15.777,-6.001 15.781,-6.007 15.786,-6.014 15.79,-6.021 15.795,-6.03 15.8,-6.039 15.805,-6.048 15.81,-6.059 15.816,-6.07 15.821,-6.082 15.827,-6.095 15.833,-6.108 15.843,-6.133 15.853,-6.159 15.862,-6.186 15.872,-6.213 15.881,-6.241 15.889,-6.269 15.897,-6.297 15.904,-6.325 15.91,-6.353 15.916,-6.38 15.921,-6.406 15.925,-6.432 15.929,-6.456 15.931,-6.478 15.933,-6.499 15.933,-6.518 15.933,-6.528 15.933,-6.538 15.932,-6.546 15.932,-6.554 15.931,-6.561 15.929,-6.567 15.928,-6.572 15.926,-6.577 15.925,-6.58 15.923,-6.584 15.921,-6.586 15.918,-6.587 15.916,-6.588 15.913,-6.588
  Top Layer region: 1.138,-6.582 1.136,-6.582 1.133,-6.581 1.131,-6.579 1.128,-6.577 1.126,-6.574 1.124,-6.57 1.122,-6.565 1.12,-6.56 1.118,-6.554 1.116,-6.547 1.115,-6.54 1.113,-6.531 1.112,-6.523 1.111,-6.513 1.109,-6.503 1.108,-6.493 1.107,-6.481 1.107,-6.47 1.106,-6.457 1.105,-6.444 1.105,-6.43 1.105,-6.416 1.105,-6.401 1.105,-6.372 1.106,-6.345 1.107,-6.321 1.109,-6.299 1.112,-6.28 1.115,-6.263 1.118,-6.249 1.122,-6.237 1.126,-6.229 1.131,-6.223 1.136,-6.221 1.141,-6.221 1.146,-6.225 1.152,-6.231 1.158,-6.241 1.164,-6.255 1.169,-6.27 1.174,-6.287 1.179,-6.305 1.182,-6.323 1.185,-6.342 1.187,-6.362 1.188,-6.381 1.188,-6.401 1.188,-6.421 1.187,-6.441 1.185,-6.46 1.182,-6.479 1.179,-6.498 1.174,-6.515 1.169,-6.532 1.164,-6.548 1.161,-6.555 1.158,-6.561 1.155,-6.566 1.152,-6.571 1.149,-6.575 1.146,-6.578 1.143,-6.58 1.141,-6.581 1.138,-6.582
  Top Layer region: 1.225,-6.057 1.222,-6.057 1.22,-6.056 1.219,-6.055 1.217,-6.052 1.216,-6.049 1.215,-6.046 1.215,-6.041 1.215,-6.036 1.215,-6.03 1.215,-6.024 1.216,-6.017 1.217,-6.009 1.218,-6.001 1.219,-5.992 1.221,-5.983 1.223,-5.973 1.225,-5.962 1.227,-5.951 1.23,-5.939 1.233,-5.927 1.236,-5.914 1.239,-5.901 1.243,-5.887 1.247,-5.873 1.251,-5.858 1.255,-5.843 1.259,-5.827 1.264,-5.811 1.269,-5.794 1.274,-5.778 1.279,-5.76 1.285,-5.743 1.291,-5.725 1.296,-5.706 1.303,-5.687 1.309,-5.668 1.315,-5.649 1.322,-5.629 1.329,-5.609 1.335,-5.589 1.343,-5.568 1.35,-5.547 1.357,-5.526 1.365,-5.505 1.373,-5.484 1.38,-5.462 1.388,-5.44 1.397,-5.418 1.405,-5.395 1.413,-5.373 1.422,-5.35 1.43,-5.327 1.439,-5.305 1.448,-5.282 1.457,-5.258 1.466,-5.235 1.476,-5.212 1.485,-5.189 1.494,-5.165 1.504,-5.142 1.536,-5.065 1.568,-4.994 1.6,-4.929 1.629,-4.873 1.656,-4.826 1.68,-4.791 1.699,-4.769 1.713,-4.761 1.717,-4.765 1.718,-4.775 1.717,-4.791 1.714,-4.813 1.708,-4.84 1.7,-4.873 1.69,-4.909 1.678,-4.95 1.664,-4.995 1.649,-5.042 1.632,-5.093 1.614,-5.146 1.595,-5.201 1.575,-5.257 1.554,-5.314 1.533,-5.373 1.511,-5.431 1.489,-5.489 1.467,-5.547 1.445,-5.603 1.423,-5.659 1.401,-5.712 1.38,-5.763 1.36,-5.811 1.34,-5.857 1.321,-5.898 1.303,-5.936 1.287,-5.969 1.272,-5.998 1.258,-6.021 1.247,-6.038 1.237,-6.05 1.233,-6.053 1.23,-6.055 1.227,-6.056 1.225,-6.057
  Top Layer region: 14.311,-3.824 14.31,-3.825 14.307,-3.824 14.303,-3.823 14.299,-3.821 14.293,-3.818 14.287,-3.814 14.279,-3.808 14.271,-3.802 14.261,-3.796 14.25,-3.788 14.239,-3.779 14.226,-3.769 14.198,-3.747 14.165,-3.722 14.124,-3.689 14.085,-3.656 14.051,-3.625 14.02,-3.595 13.995,-3.569 13.976,-3.547 13.964,-3.529 13.96,-3.517 13.96,-3.508 13.961,-3.501 13.963,-3.494 13.965,-3.488 13.967,-3.483 13.97,-3.479 13.974,-3.476 13.978,-3.474 13.982,-3.473 13.987,-3.472 13.993,-3.473 13.999,-3.474 14.005,-3.476 14.012,-3.479 14.019,-3.483 14.027,-3.488 14.036,-3.494 14.044,-3.5 14.054,-3.507 14.063,-3.516 14.073,-3.525 14.084,-3.534 14.094,-3.545 14.106,-3.557 14.117,-3.569 14.129,-3.582 14.142,-3.596 14.154,-3.611 14.168,-3.626 14.181,-3.643 14.195,-3.66 14.209,-3.678 14.235,-3.71 14.257,-3.739 14.266,-3.752 14.275,-3.763 14.283,-3.774 14.29,-3.783 14.296,-3.792 14.301,-3.8 14.305,-3.806 14.308,-3.812 14.31,-3.816 14.312,-3.82 14.312,-3.822 14.311,-3.824
  Top Layer region: 612 vertices and 0 holes, not listed, extent 3.017,-3.633 14.019,-1.496
  Top Layer region: 9.019,-0.764 9.003,-0.763 8.987,-0.762 8.971,-0.759 8.954,-0.756 8.938,-0.752 8.922,-0.747 8.906,-0.741 8.89,-0.734 8.876,-0.728 8.866,-0.721 8.858,-0.715 8.853,-0.709 8.851,-0.704 8.852,-0.699 8.855,-0.694 8.861,-0.689 8.869,-0.685 8.881,-0.682 8.895,-0.679 8.911,-0.676 8.93,-0.674 8.952,-0.672 8.976,-0.67 9.02,-0.67 9.058,-0.672 9.089,-0.677 9.114,-0.685 9.131,-0.694 9.14,-0.705 9.14,-0.718 9.13,-0.732 9.122,-0.739 9.113,-0.745 9.102,-0.75 9.09,-0.755 9.078,-0.758 9.064,-0.761 9.05,-0.763 9.035,-0.764 9.019,-0.764

## Nets (pads, with @x,y where several pads share a name; then routed paths per layer and width w, separated by ;. In a path a pad name is that pad's centre, name@x,y a point inside that pad or via, vN(x,y) a via of type N, cw(c..) or ccw(c..) an arc to the next point about the centre after c; other vN are vias at no path point)
S$60: 
S$116: 
S$150: 
S$152: 
S$337: 
S$360: 
S$363: 
S$396: 
S$399: 

## Keep-outs
Keep-Out Layer:
  circle w0.092: c66.893,127.63 r1.199
  lines w0.076: 58.438,121.465 ccw(c88.057,110.022) 57.065,116.929 cw(c30.239,123.603) 56.875,116.207 cw(c54.696,116.826) 56.647,115.675 cw(c33.479,133.38) 56.077,114.953 ccw(c64.991,106.74) 54.443,112.711 ccw(c60.463,108.913) 53.759,111.305 ccw(c56.506,110.241) 53.569,110.469 ccw(c58.065,109.975) 53.569,109.481 ccw(c55.87,109.659) 53.797,108.645 ccw(c55.359,109.501) 54.937,107.771 ccw(c55.641,110.973) 55.697,107.695 ccw(c55.779,112.404) 56.381,107.733 ccw(c56.097,109.223) 57.331,108.341 ccw(c47.307,115.962) 57.939,109.215 cw(c61.419,107.57) 58.015,109.367 cw(c58.091,109.3) 58.167,109.367 cw(c56.08,107.985) 58.281,109.177 cw(c43.352,102.884) 58.699,108.075 cw(c38.43,99.994) 59.155,106.82 cw(c42.902,100.959) 59.763,104.73 cw(c54.292,103.42) 59.915,103.248 ccw(c90.66,102.564) 59.915,101.88 ccw(c61.961,102.12) 60.067,101.31 ccw(c60.837,101.576) 60.296,100.968 ccw(c61.255,101.934) 60.676,100.702 ccw(c61.659,102.511) 61.36,100.474 ccw(c62.685,106.861) 63.222,100.36 ccw(c62.466,108.413) 64.362,100.55 ccw(c63.979,102.897) 64.894,100.702 ccw(c64.67,101.232) 65.16,100.93 ccw(c64.447,101.355) 65.274,101.424 ccw(c55.542,101.061) 65.236,101.994 cw(c75.036,102.355) 65.236,102.716 cw(c65.56,102.734) 65.578,103.058 cw(c66.149,99.249) 66.338,103.096 cw(c66.328,101.628) 66.794,103.02 cw(c66.727,102.673) 67.06,102.792 cw(c65.901,102.454) 67.098,102.298 ccw(c69.643,101.363) 66.936,101.517 ccw(c67.786,101.347) 67.554,100.512 ccw(c68.705,104.574) 68.96,100.36 ccw(c67.609,120.541) 71.735,100.74 ccw(c71.659,101.223) 72.077,100.968 ccw(c71.455,101.365) 72.191,101.31 ccw(c66.929,102.412) 72.305,102.45 cw(c86.441,102.991) 72.343,104.16 cw(c75.272,104.029) 72.799,105.604 ccw(c45.811,121.206) 75.651,112.187 ; 58.438,121.465 ccw(c9.683,144.429) 58.851,122.364 ccw(c58.323,122.667) 58.927,122.744 cw(c63.911,124.133) 58.889,125.376 cw(c61.245,124.299) 59.953,126.544 cw(c61.01,124.366) 61.512,126.734 cw(c61.236,124.469) 62.576,126.316 ccw(c63.032,126.878) 63.374,126.24 cw(c66.355,115.58) 63.638,126.311 cw(c66.899,127.58) 70.147,126.275 ; 70.147,126.276 ccw(c70.261,126.759) 70.632,126.43 cw(c72.118,124.503) 72.609,126.886 cw(c72.088,124.639) 74.205,125.556 cw(c70.124,124.473) 74.205,123.39 ccw(c74.508,123.206) 74.227,122.989 cw(c61.609,114.542) 75.459,120.768 ccw(c75.546,120.839) 75.573,120.73 ccw(c75.47,120.909) 75.649,120.806 cw(c77.411,120.199) 76.447,121.794 cw(c77.951,118.631) 79.373,121.832 cw(c78.459,120.164) 80.323,120.54 cw(c77.073,119.891) 80.019,118.374 cw(c68.596,124.773) 78.499,116.207 cw(c42.803,142.583) 76.371,113.547 ccw(c78.493,111.553) 75.649,112.179 ; 76.827,119.666 cw(c77.205,119.747) 76.865,119.932 cw(c77.697,119.328) 77.093,120.16 cw(c77.27,119.983) 77.397,120.198 cw(c77.272,119.886) 77.511,120.122 ccw(c78.674,120.897) 77.701,119.894 ccw(c77.912,120.018) 77.967,119.78 cw(c79.753,106.726) 78.271,119.818 cw(c78.33,119.697) 78.461,119.666 cw(c77.246,119.671) 78.385,119.248 cw(c77.101,120.148) 77.739,118.716 cw(c77.271,119.55) 77.397,118.602 cw(c77.378,118.923) 77.169,118.678 cw(c79.003,119.875) 76.865,119.4 cw(c79.424,119.901) 76.827,119.666

## Silkscreen, mask and mechanical layers (free items; w line width, h text height)
Top Overlay:
  lines w0.241: 58.516,115.995 ccw(c76.351,117.516) 58.784,114.08 ccw(c67.029,116.939) 60.583,111.056 ccw(c66.282,118.243) 64.871,109.18 ccw(c69.437,164.106) 67.436,109.027 ccw(c68.433,123.615) 69.886,109.065 ccw(c68.893,116.366) 72.221,109.793 ccw(c69.72,115.183) 74.365,111.477 ccw(c66.421,116.653) 75.514,113.966 ccw(c69.743,115.758) 75.782,115.535 ccw(c63.332,115.974) 75.667,117.717 ccw(c69.064,116.898) 74.901,120.091 ccw(c67.031,117.041) 73.829,122.043 ccw(c65.517,114.925) 72.221,123.575 ccw(c66.864,115.961) 70.499,124.532 ccw(c68.887,119.542) 69.388,124.761 ccw(c68.45,114.674) 68.125,124.8 ccw(c67.672,106.206) 65.56,124.685 ccw(c67.163,114.106) 62.727,123.843 ccw(c68.147,115.127) 60.2,121.622 ccw(c68.999,115.692) 58.975,119.172 ccw(c69.136,116.081) 58.516,115.995 ; 60.43,115.765 ccw(c64.078,116.494) 61.54,113.774 ccw(c65.009,116.736) 63.493,112.434 ccw(c67.489,124.174) 66.976,111.783 ccw(c67.282,126.603) 71.379,112.358 ccw(c70.466,115.505) 72.757,113.162 ccw(c69.595,116.489) 73.714,114.463 ccw(c70.152,116.267) 74.135,115.995 ccw(c68.749,116.29) 73.446,118.942 ccw(c67.059,115.625) 72.413,120.435 ccw(c67.715,115.9) 70.996,121.546 ccw(c68.756,117.901) 69.465,122.12 ccw(c67.879,116.766) 67.934,122.35 ccw(c67.723,113.734) 65.905,122.158 ccw(c66.702,115.077) 62.995,121.163 ccw(c68.65,112.974) 61.655,120.053 ccw(c65.481,116.589) 60.583,118.215 ccw(c64.382,116.748) 60.43,115.765